# KiCad board GNSS_Firehose.kicad_pcb (continued)
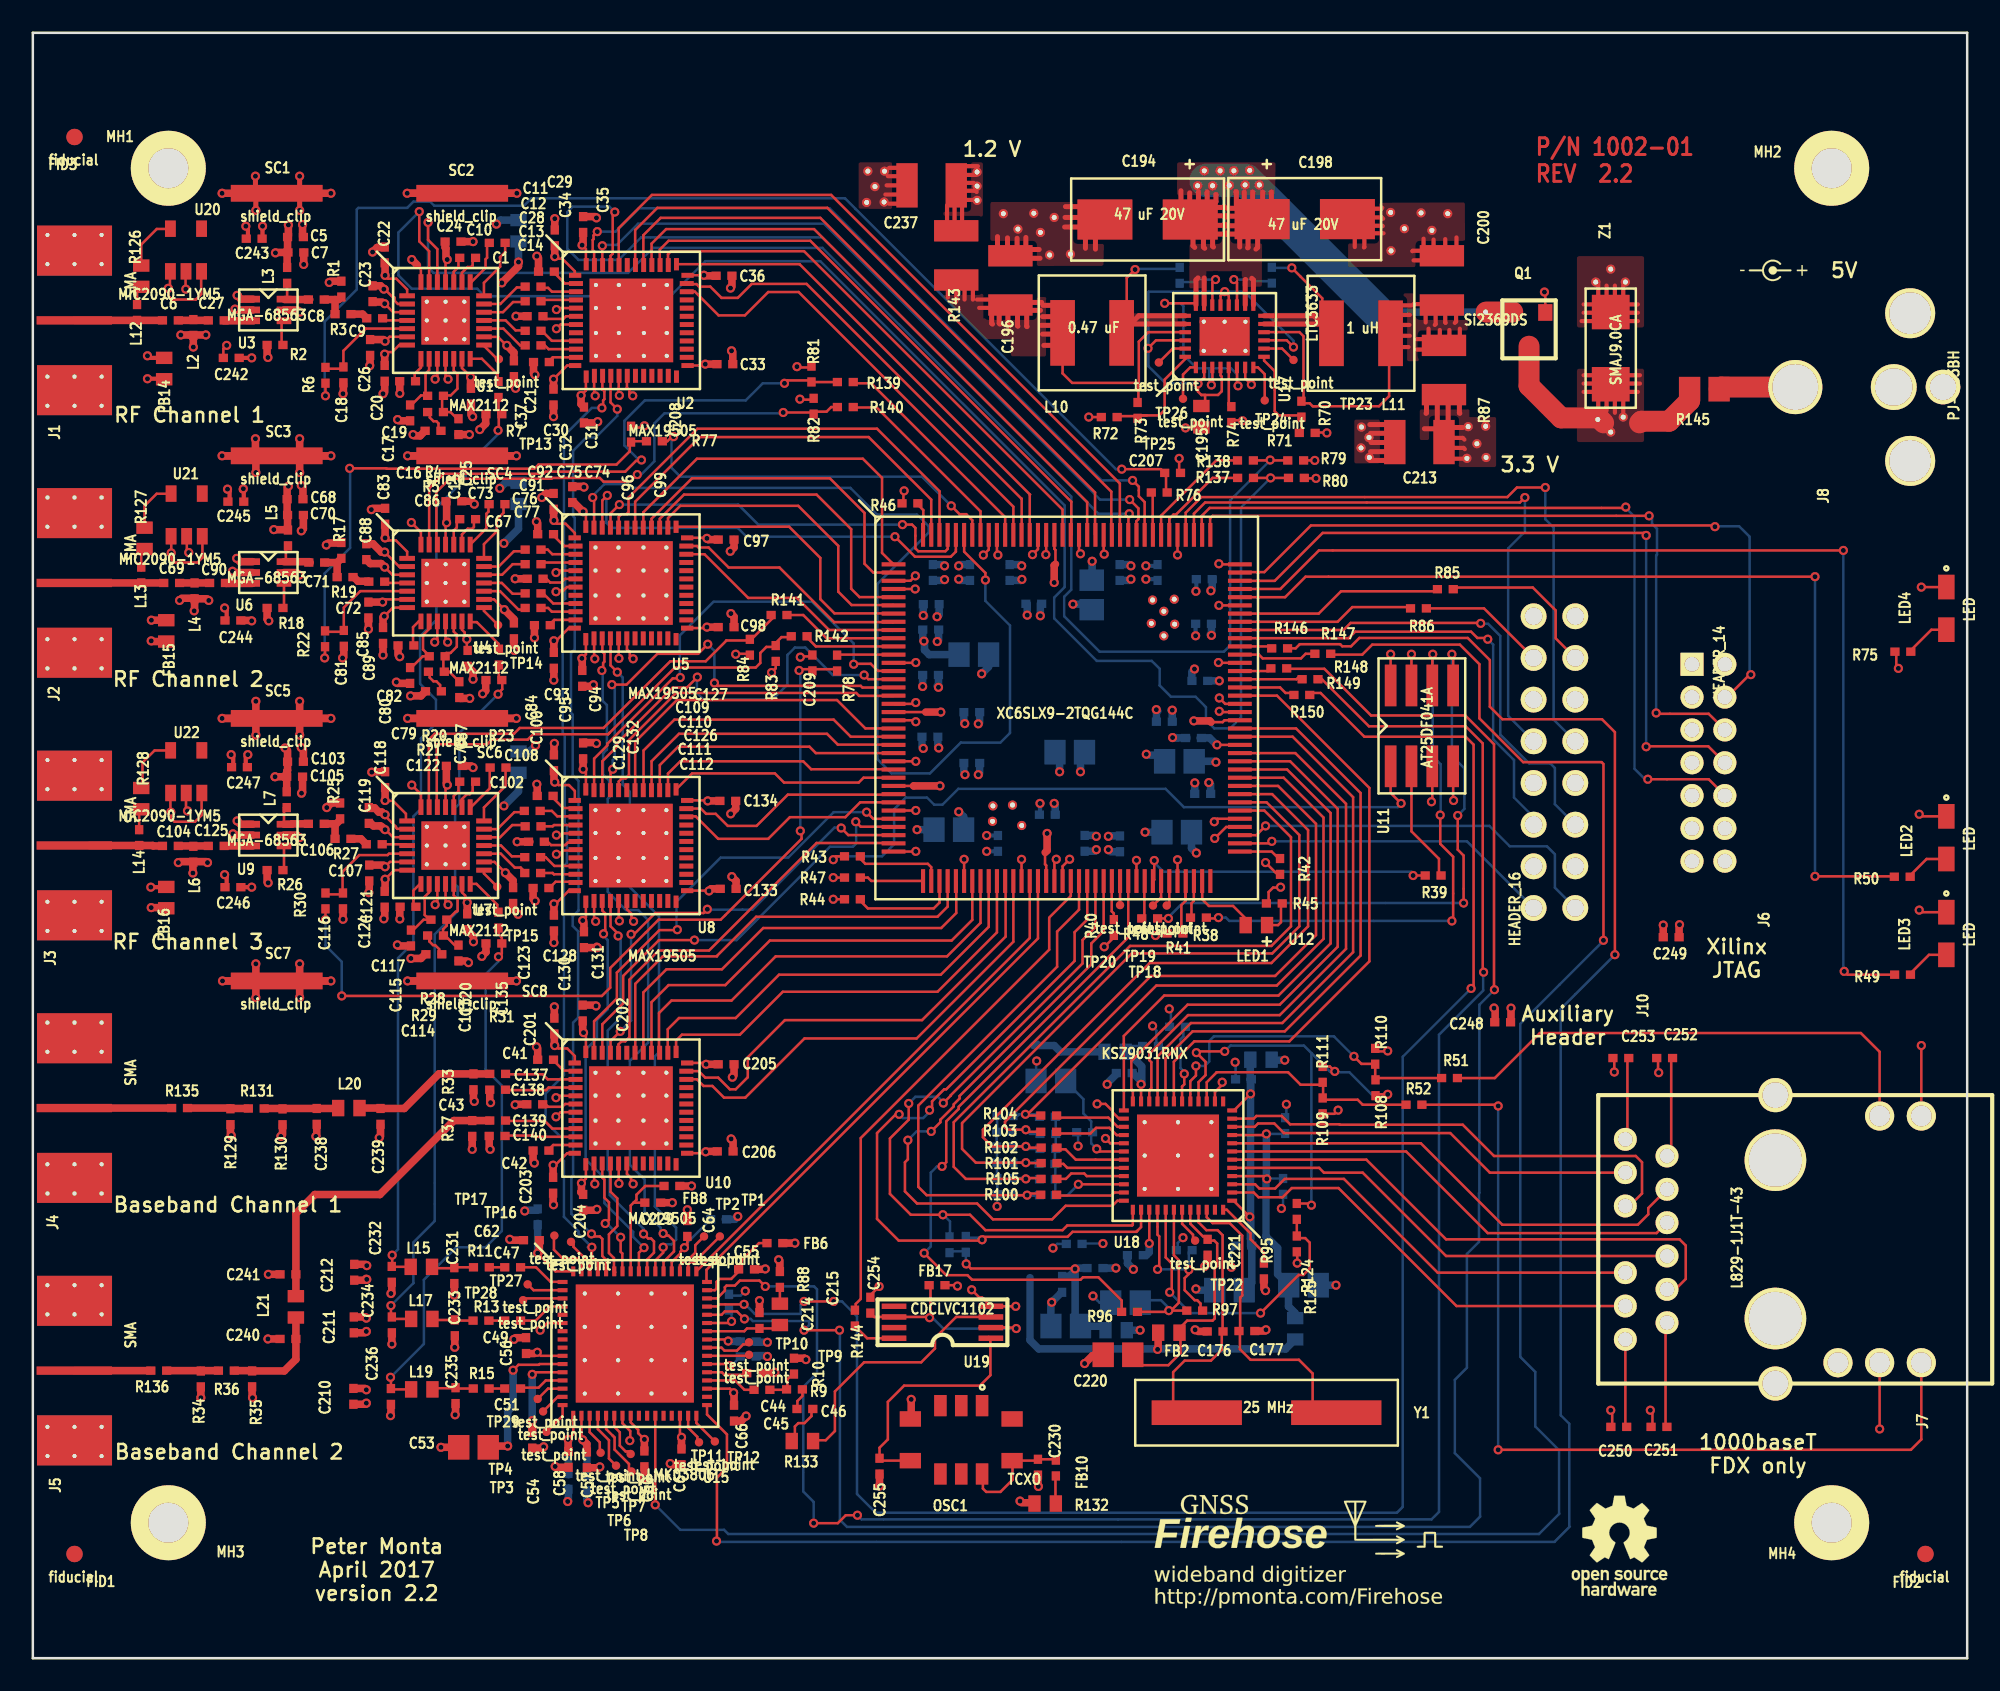
[diagram p0: board, top side]
## Placement (name value [footprint] x y rotation side) (continued)
U17  LTC3633  [UFD28]  72.61 80.56 90 top
U18  KSZ9031RNX  [QFN48_EP_MICREL]  69.77 30.63 180 top
U19  CDCLVC1102  [TSSOP8W]  55.42 20.47 180 top
U20  MIC2090-1YM5  [SOT-23-5]  8.38 84.52 0 top
U21  MIC2090-1YM5  [SOT-23-5]  8.42 68.38 0 top
U22  MIC2090-1YM5  [SOT-23-5]  8.4 52.73 0 top
VIA**  -  [via_12mil]  88.52 82.04 0 top
VIA**#2  -  [via_12mil]  95.35 75.49 0 top
VIA**#3  -  [via_12mil]  88.54 73.18 0 top
VIA**#4  -  [via_12mil]  81.41 74.4 0 top
VIA**#5  -  [via_12mil]  83.57 87.12 0 top
VIA**#6  -  [via_12mil]  70.97 89.74 0 top
VIA**#7  -  [via_12mil]  62.23 87.81 0 top
VIA**#8  -  [via_12mil]  57.53 89.71 0 top
VIA**#9  -  [via_12mil]  51.31 89.69 0 top
VIA**#10  -  [via_12mil]  68.91 63.8 0 top
VIA**#11  -  [via_12mil]  60.25 50.75 0 top
VIA**#12  -  [via_12mil]  50.88 90.63 0 top
VIA**#13  -  [via_12mil]  51.89 90.63 0 top
VIA**#14  -  [via_12mil]  50.8 88.72 0 top
VIA**#15  -  [via_12mil]  51.87 88.75 0 top
VIA**#16  -  [via_12mil]  61.39 86.89 0 top
VIA**#17  -  [via_12mil]  60.99 88.06 0 top
VIA**#18  -  [via_12mil]  60.02 87.1 0 top
VIA**#19  -  [via_12mil]  59.13 88.04 0 top
VIA**#20  -  [via_12mil]  61.95 85.52 0 top
VIA**#21  -  [via_12mil]  95.22 83.87 0 top
VIA**#22  -  [via_12mil]  63.22 85.57 0 top
VIA**#23  -  [via_12mil]  96.14 84.66 0 top
VIA**#24  -  [via_12mil]  97.03 83.87 0 top
VIA**#25  -  [via_12mil]  96.9 75.64 0 top
VIA**#26  -  [via_12mil]  96.14 74.73 0 top
VIA**#27  -  [via_12mil]  87.38 73.13 0 top
VIA**#28  -  [via_12mil]  87.99 74.02 0 top
VIA**#29  -  [via_12mil]  87.45 75.06 0 top
VIA**#30  -  [via_12mil]  88.52 75.08 0 top
VIA**#31  -  [via_12mil]  81.43 73.18 0 top
VIA**#32  -  [via_12mil]  80.92 73.76 0 top
VIA**#33  -  [via_12mil]  80.95 75.03 0 top
VIA**#34  -  [via_12mil]  82.75 85.78 0 top
VIA**#35  -  [via_12mil]  82.73 88.11 0 top
VIA**#36  -  [via_12mil]  84.58 88.09 0 top
VIA**#37  -  [via_12mil]  85.24 87.02 0 top
VIA**#38  -  [via_12mil]  86.21 88.04 0 top
VIA**#39  -  [via_12mil]  57.53 90.58 0 top
VIA**#40  -  [via_12mil]  57.53 88.85 0 top
VIA**#41  -  [via_12mil]  71.37 90.65 0 top
VIA**#42  -  [via_12mil]  71.88 89.74 0 top
VIA**#43  -  [via_12mil]  72.34 90.65 0 top
VIA**#44  -  [via_12mil]  72.9 89.76 0 top
VIA**#45  -  [via_12mil]  73.18 90.65 0 top
VIA**#46  -  [via_12mil]  73.86 89.79 0 top
VIA**#47  -  [via_12mil]  74.14 90.68 0 top
VIA**#48  -  [via_12mil]  74.73 89.79 0 top
VIA**#49  -  [via_12mil]  68.22 64.49 0 top
VIA**#50  -  [via_12mil]  69.55 64.54 0 top
VIA**#51  -  [via_12mil]  68.15 63.07 0 top
VIA**#52  -  [via_12mil]  69.57 63.02 0 top
VIA**#53  -  [via_12mil]  58.5 51.94 0 top
VIA**#54  -  [via_12mil]  59.69 51.99 0 top
VIA**#55  -  [via_12mil]  58.47 51 0 top
VIA**#56  -  [via_12mil]  68.91 62.31 0 top
Y1  25 MHz  [CTS_ATS]  75.17 14.96 180 top
Z1  SMAJ9.0CA  [SMAJ]  96.14 79.84 90 top

## Footprints (pads in the part's own frame, mm; a bottom-side part is the same pattern mirrored in y, then rotated)
0402
  rect 0.559x0.508 smd: 1(-0.483,0) 2(0.483,0)
0603
  rect 0.75x1 smd: 1(-0.65,0) 2(0.65,0)
0805
  rect 1.3x1.5 smd: 1(-0.9,0) 2(0.9,0)
1210
  rect 1.3x2.7 smd: 1(-1.5,0) 2(1.5,0)
APA2106
  rect 1.5x1 smd: 1(-1.3,0) 2(1.3,0)
CTS_ATS
  rect 5.5x1.5 smd: 1(-4.25,0) 2(4.25,0)
D75J
  rect 0.762x1.295 smd: 1(2.477,-4.813) 2(3.747,-4.813) 3(5.016,-4.813) 6(5.016,-0.648) 7(3.747,-0.648) 8(2.477,-0.648)
  rect 1.295x0.94 smd: 4(6.845,-4) 5(6.845,-1.46) 9(0.648,-1.46) 10(0.648,-4)
FIDUCIAL
  round 1 smd: 1(0,0)
  round 1 smd far side: 2(0,0)
HEADER14_2MM
  rect 1.408x1.408 hole 0.9: 1(0,-4)
  round 1.408 hole 0.9: 2(0,-2) 3(2,-4) 4(2,-2) 5(4,-4) 6(4,-2) 7(6,-4) 8(6,-2) 9(8,-4) 10(8,-2) 11(10,-4) 12(10,-2) 13(12,-4) 14(12,-2)
HEADER16_100MIL
  round 1.575 hole 1.067: 1(0,-5.08) 2(0,-2.54) 3(2.54,-5.08) 4(2.54,-2.54) 5(5.08,-5.08) 6(5.08,-2.54) 7(7.62,-5.08) 8(7.62,-2.54) 9(10.16,-5.08) 10(10.16,-2.54) 11(12.7,-5.08) 12(12.7,-2.54) 13(15.24,-5.08) 14(15.24,-2.54) 15(17.78,-5.08) 16(17.78,-2.54)
HOLE_UNC_2_56
  round 4.572 hole 2.438: 1(0,0)
L829-1J1T-43
  round 1.397 hole 0.889: 1(-5.08,-6.604) 2(-3.048,-6.604) 3(-1.016,-6.604) 4(1.016,-6.604) 5(3.048,-6.604) 6(5.08,-6.604) 7(-6.096,-9.144) 8(-4.064,-9.144) 9(-2.032,-9.144) 10(2.032,-9.144) 11(4.064,-9.144) 12(6.096,-9.144)
  round 1.778 hole 1.27: 13(-7.518,6.35) 14(-7.518,8.89) 15(7.518,3.81) 16(7.518,6.35) 17(7.518,8.89)
  round 2.083 hole 1.575: 18(-8.788,0) 19(8.788,0)
  round 3.759 hole 3.251: 20(-4.826,0) 21(4.826,0)
LLP64_EP
  rect 0.6x0.25 smd: 1(-4.4,3.751) 2(-4.4,3.251) 3(-4.4,2.751) 4(-4.4,2.25) 5(-4.4,1.75) 6(-4.4,1.25) 7(-4.4,0.75) 8(-4.4,0.25) 9(-4.4,-0.25) 10(-4.4,-0.75) 11(-4.4,-1.25) 12(-4.4,-1.751) 13(-4.4,-2.251) 14(-4.4,-2.751) 15(-4.4,-3.251) 16(-4.4,-3.751) 33(4.4,-3.751) 34(4.4,-3.251) 35(4.4,-2.751) 36(4.4,-2.25) 37(4.4,-1.75) 38(4.4,-1.25) 39(4.4,-0.75) 40(4.4,-0.25) 41(4.4,0.25) 42(4.4,0.75) 43(4.4,1.25) 44(4.4,1.751) 45(4.4,2.251) 46(4.4,2.751) 47(4.4,3.251) 48(4.4,3.751)
  rect 0.25x0.6 smd: 17(-3.751,-4.4) 18(-3.251,-4.4) 19(-2.751,-4.4) 20(-2.25,-4.4) 21(-1.75,-4.4) 22(-1.25,-4.4) 23(-0.75,-4.4) 24(-0.25,-4.4) 25(0.25,-4.4) 26(0.75,-4.4) 27(1.25,-4.4) 28(1.751,-4.4) 29(2.251,-4.4) 30(2.751,-4.4) 31(3.251,-4.4) 32(3.751,-4.4) 49(3.751,4.4) 50(3.251,4.4) 51(2.751,4.4) 52(2.25,4.4) 53(1.75,4.4) 54(1.25,4.4) 55(0.75,4.4) 56(0.25,4.4) 57(-0.25,4.4) 58(-0.75,4.4) 59(-1.25,4.4) 60(-1.751,4.4) 61(-2.251,4.4) 62(-2.751,4.4) 63(-3.251,4.4) 64(-3.751,4.4)
  round 0.508 hole 0.254: 65(-3.048,3.048) 65(-3.048,1.016) 65(-3.048,-1.016) 65(-3.048,-3.048) 65(-1.016,3.048) 65(-1.016,1.016) 65(-1.016,-1.016) 65(-1.016,-3.048) 65(1.016,3.048) 65(1.016,1.016) 65(1.016,-1.016) 65(1.016,-3.048) 65(3.048,3.048) 65(3.048,1.016) 65(3.048,-1.016) 65(3.048,-3.048)
  rect 1.524x1.524 smd: 65(-1.981,1.981) 65(-1.981,0) 65(-1.981,-1.981) 65(0,1.981) 65(0,0) 65(0,-1.981) 65(1.981,1.981) 65(1.981,0) 65(1.981,-1.981)
  rect 7.2x7.2 smd: 65(0,0)
LQFP144
  rect 1.45x0.25 smd: 1(-10.55,8.752) 2(-10.55,8.252) 3(-10.55,7.752) 4(-10.55,7.252) 5(-10.55,6.752) 6(-10.55,6.251) 7(-10.55,5.751) 8(-10.55,5.251) 9(-10.55,4.751) 10(-10.55,4.251) 11(-10.55,3.751) 12(-10.55,3.251) 13(-10.55,2.751) 14(-10.55,2.25) 15(-10.55,1.75) 16(-10.55,1.25) 17(-10.55,0.75) 18(-10.55,0.25) 19(-10.55,-0.25) 20(-10.55,-0.75) 21(-10.55,-1.25) 22(-10.55,-1.751) 23(-10.55,-2.251) 24(-10.55,-2.751) 25(-10.55,-3.251) 26(-10.55,-3.751) 27(-10.55,-4.251) 28(-10.55,-4.751) 29(-10.55,-5.251) 30(-10.55,-5.752) 31(-10.55,-6.252) 32(-10.55,-6.752) 33(-10.55,-7.252) 34(-10.55,-7.752) 35(-10.55,-8.252) 36(-10.55,-8.752) 73(10.55,-8.752) 74(10.55,-8.252) 75(10.55,-7.752) 76(10.55,-7.252) 77(10.55,-6.752) 78(10.55,-6.251) 79(10.55,-5.751) 80(10.55,-5.251) 81(10.55,-4.751) 82(10.55,-4.251) 83(10.55,-3.751) 84(10.55,-3.251) 85(10.55,-2.751) 86(10.55,-2.25) 87(10.55,-1.75) 88(10.55,-1.25) 89(10.55,-0.75) 90(10.55,-0.25) 91(10.55,0.25) 92(10.55,0.75) 93(10.55,1.25) 94(10.55,1.751) 95(10.55,2.251) 96(10.55,2.751) 97(10.55,3.251) 98(10.55,3.751) 99(10.55,4.251) 100(10.55,4.751) 101(10.55,5.251) 102(10.55,5.752) 103(10.55,6.252) 104(10.55,6.752) 105(10.55,7.252) 106(10.55,7.752) 107(10.55,8.252) 108(10.55,8.752)
  rect 0.25x1.45 smd: 37(-8.752,-10.55) 38(-8.252,-10.55) 39(-7.752,-10.55) 40(-7.252,-10.55) 41(-6.752,-10.55) 42(-6.251,-10.55) 43(-5.751,-10.55) 44(-5.251,-10.55) 45(-4.751,-10.55) 46(-4.251,-10.55) 47(-3.751,-10.55) 48(-3.251,-10.55) 49(-2.751,-10.55) 50(-2.25,-10.55) 51(-1.75,-10.55) 52(-1.25,-10.55) 53(-0.75,-10.55) 54(-0.25,-10.55) 55(0.25,-10.55) 56(0.75,-10.55) 57(1.25,-10.55) 58(1.751,-10.55) 59(2.251,-10.55) 60(2.751,-10.55) 61(3.251,-10.55) 62(3.751,-10.55) 63(4.251,-10.55) 64(4.751,-10.55) 65(5.251,-10.55) 66(5.752,-10.55) 67(6.252,-10.55) 68(6.752,-10.55) 69(7.252,-10.55) 70(7.752,-10.55) 71(8.252,-10.55) 72(8.752,-10.55) 109(8.752,10.55) 110(8.252,10.55) 111(7.752,10.55) 112(7.252,10.55) 113(6.752,10.55) 114(6.251,10.55) 115(5.751,10.55) 116(5.251,10.55) 117(4.751,10.55) 118(4.251,10.55) 119(3.751,10.55) 120(3.251,10.55) 121(2.751,10.55) 122(2.25,10.55) 123(1.75,10.55) 124(1.25,10.55) 125(0.75,10.55) 126(0.25,10.55) 127(-0.25,10.55) 128(-0.75,10.55) 129(-1.25,10.55) 130(-1.751,10.55) 131(-2.251,10.55) 132(-2.751,10.55) 133(-3.251,10.55) 134(-3.751,10.55) 135(-4.251,10.55) 136(-4.751,10.55) 137(-5.251,10.55) 138(-5.752,10.55) 139(-6.252,10.55) 140(-6.752,10.55) 141(-7.252,10.55) 142(-7.752,10.55) 143(-8.252,10.55) 144(-8.752,10.55)
NRS5020
  rect 1.5x4 smd: 1(-1.8,0) 2(1.8,0)
PJ-063BH
  round 3.302 hole 2.794: 1(0,-12)
  round 3.048 hole 2.54: 2(-4.5,-5) 2(4.5,-5)
  round 2.108 hole 1.6: 2(0,-3)
  round 2.794 hole 2.286: 2(0,-6)
QFN28_EP
  rect 0.95x0.3 smd: 1(-2.34,1.5) 2(-2.34,1) 3(-2.34,0.5) 4(-2.34,0) 5(-2.34,-0.5) 6(-2.34,-1) 7(-2.34,-1.5) 15(2.34,-1.5) 16(2.34,-1) 17(2.34,-0.5) 18(2.34,0) 19(2.34,0.5) 20(2.34,1) 21(2.34,1.5)
  rect 0.3x0.95 smd: 8(-1.5,-2.34) 9(-1,-2.34) 10(-0.5,-2.34) 11(0,-2.34) 12(0.5,-2.34) 13(1,-2.34) 14(1.5,-2.34) 22(1.5,2.34) 23(1,2.34) 24(0.5,2.34) 25(0,2.34) 26(-0.5,2.34) 27(-1,2.34) 28(-1.5,2.34)
  round 0.508 hole 0.254: 29(-1.143,1.143) 29(-1.143,0) 29(-1.143,-1.143) 29(0,1.143) 29(0,0) 29(0,-1.143) 29(1.143,1.143) 29(1.143,0) 29(1.143,-1.143)
  rect 0.864x0.864 smd: 29(-0.572,0.572) 29(-0.572,-0.572) 29(0.572,0.572) 29(0.572,-0.572)
  rect 2.95x2.95 smd: 29(0,0)
QFN48_EP
  rect 0.748x0.3 smd: 1(-3.426,2.751) 12(-3.426,-2.751) 25(3.426,-2.751) 36(3.426,2.751)
  rect 0.85x0.3 smd: 2(-3.375,2.25) 3(-3.375,1.75) 4(-3.375,1.25) 5(-3.375,0.75) 6(-3.375,0.25) 7(-3.375,-0.25) 8(-3.375,-0.75) 9(-3.375,-1.25) 10(-3.375,-1.751) 11(-3.375,-2.251) 26(3.375,-2.25) 27(3.375,-1.75) 28(3.375,-1.25) 29(3.375,-0.75) 30(3.375,-0.25) 31(3.375,0.25) 32(3.375,0.75) 33(3.375,1.25) 34(3.375,1.751) 35(3.375,2.251)
  rect 0.3x0.748 smd: 13(-2.751,-3.426) 24(2.751,-3.426) 37(2.751,3.426) 48(-2.751,3.426)
  rect 0.3x0.85 smd: 14(-2.25,-3.375) 15(-1.75,-3.375) 16(-1.25,-3.375) 17(-0.75,-3.375) 18(-0.25,-3.375) 19(0.25,-3.375) 20(0.75,-3.375) 21(1.25,-3.375) 22(1.751,-3.375) 23(2.251,-3.375) 38(2.25,3.375) 39(1.75,3.375) 40(1.25,3.375) 41(0.75,3.375) 42(0.25,3.375) 43(-0.25,3.375) 44(-0.75,3.375) 45(-1.25,3.375) 46(-1.751,3.375) 47(-2.251,3.375)
  round 0.508 hole 0.254: 49(-2.159,2.159) 49(-2.159,0.762) 49(-2.159,-0.762) 49(-2.159,-2.159) 49(-0.762,2.159) 49(-0.762,0.762) 49(-0.762,-0.762) 49(-0.762,-2.159) 49(0.762,2.159) 49(0.762,0.762) 49(0.762,-0.762) 49(0.762,-2.159) 49(2.159,2.159) 49(2.159,0.762) 49(2.159,-0.762) 49(2.159,-2.159)
  rect 1.168x1.168 smd: 49(-1.448,1.448) 49(-1.448,0) 49(-1.448,-1.448) 49(0,1.448) 49(0,0) 49(0,-1.448) 49(1.448,1.448) 49(1.448,0) 49(1.448,-1.448)
  rect 5.1x5.1 smd: 49(0,0)
QFN48_EP_MICREL
  rect 0.6x0.25 smd: 1(-3.3,2.751) 2(-3.3,2.25) 3(-3.3,1.75) 4(-3.3,1.25) 5(-3.3,0.75) 6(-3.3,0.25) 7(-3.3,-0.25) 8(-3.3,-0.75) 9(-3.3,-1.25) 10(-3.3,-1.751) 11(-3.3,-2.251) 12(-3.3,-2.751) 25(3.3,-2.751) 26(3.3,-2.25) 27(3.3,-1.75) 28(3.3,-1.25) 29(3.3,-0.75) 30(3.3,-0.25) 31(3.3,0.25) 32(3.3,0.75) 33(3.3,1.25) 34(3.3,1.751) 35(3.3,2.251) 36(3.3,2.751)
  rect 0.25x0.6 smd: 13(-2.751,-3.3) 14(-2.25,-3.3) 15(-1.75,-3.3) 16(-1.25,-3.3) 17(-0.75,-3.3) 18(-0.25,-3.3) 19(0.25,-3.3) 20(0.75,-3.3) 21(1.25,-3.3) 22(1.751,-3.3) 23(2.251,-3.3) 24(2.751,-3.3) 37(2.751,3.3) 38(2.25,3.3) 39(1.75,3.3) 40(1.25,3.3) 41(0.75,3.3) 42(0.25,3.3) 43(-0.25,3.3) 44(-0.75,3.3) 45(-1.25,3.3) 46(-1.751,3.3) 47(-2.251,3.3) 48(-2.751,3.3)
  round 0.508 hole 0.254: 49(-2.032,2.032) 49(-2.032,0) 49(-2.032,-2.032) 49(0,2.032) 49(0,0) 49(0,-2.032) 49(2.032,2.032) 49(2.032,0) 49(2.032,-2.032)
  rect 1.651x1.651 smd: 49(-1.143,1.143) 49(-1.143,-1.143) 49(1.143,1.143) 49(1.143,-1.143)
  rect 5x5 smd: 49(0,0)
S1721
  rect 5.59x1.02 smd: 1(0,0)
SMA_END_LAUNCH
  rect 0.508x4.597 smd: 1(0,-3.035)
  round 0.508 hole 0.254: 2(-5.207,-1.397) 2(-5.207,-3.048) 2(-5.207,-4.699) 2(-3.429,-1.397) 2(-3.429,-3.048) 2(-3.429,-4.699) 2(3.429,-1.397) 2(3.429,-3.048) 2(3.429,-4.699) 2(5.207,-1.397) 2(5.207,-3.048) 2(5.207,-4.699)
  rect 3.048x4.572 smd: 2(-4.255,-3.048) 2(4.255,-3.048)
  rect 3.048x4.572 smd far side: 2(-4.255,-3.048) 2(4.255,-3.048)
SMAJ
  rect 2.1x2.3 smd: 1(-2.2,0) 2(2.2,0)
SO8
  rect 2.54x0.711 smd: 1(-2.464,1.905) 2(-2.464,0.635) 3(-2.464,-0.635) 4(-2.464,-1.905) 5(2.464,-1.905) 6(2.464,-0.635) 7(2.464,0.635) 8(2.464,1.905)
SOT23
  rect 0.864x1.016 smd: 1(0.635,-2.794) 2(2.616,-2.794) 3(1.626,-0.711)
SOT-23-5
  rect 0.66x1 smd: 1(0,0) 2(0.95,0) 3(1.9,0) 4(1.9,2.6) 5(0,2.6)
SOT-363
  rect 0.889x0.406 smd: 1(-0.953,0.66) 2(-0.953,0) 3(-0.953,-0.66) 4(0.953,-0.66) 5(0.953,0) 6(0.953,0.66)
tantalum-size-D
  rect 3.35x2.45 smd: 1(-2.6,0) 2(2.6,0)
TP_SMT
  round 0.508 smd: 1(0,0)
TSSOP8W
  rect 1.5x0.33 smd: 1(-2.95,0.975) 2(-2.95,0.325) 3(-2.95,-0.325) 4(-2.95,-0.975) 5(2.95,-0.975) 6(2.95,-0.325) 7(2.95,0.325) 8(2.95,0.975)
UFD28
  rect 0.7x0.25 smd: 1(-1.9,1.75) 2(-1.9,1.25) 3(-1.9,0.75) 4(-1.9,0.25) 5(-1.9,-0.25) 6(-1.9,-0.75) 7(-1.9,-1.25) 8(-1.9,-1.751) 15(1.9,-1.75) 16(1.9,-1.25) 17(1.9,-0.75) 18(1.9,-0.25) 19(1.9,0.25) 20(1.9,0.75) 21(1.9,1.25) 22(1.9,1.751)
  rect 0.25x0.7 smd: 9(-1.25,-2.4) 10(-0.75,-2.4) 11(-0.25,-2.4) 12(0.25,-2.4) 13(0.75,-2.4) 14(1.25,-2.4) 23(1.25,2.4) 24(0.75,2.4) 25(0.25,2.4) 26(-0.25,2.4) 27(-0.75,2.4) 28(-1.25,2.4)
  round 0.508 hole 0.254: 29(-0.889,1.27) 29(-0.889,0) 29(-0.889,-1.27) 29(0.889,1.27) 29(0.889,0) 29(0.889,-1.27)
  rect 1.092x1.092 smd: 29(0,0.762) 29(0,-0.762)
  rect 2.35x3.05 smd: 29(0,0)
via_12mil
  round 0.559 hole 0.305: 1(0,0)

## Nets
/Ethernet/AVDDH: C226.1 C227.1 C228.1 FB3.2 U18.1 U18.12
/Ethernet/AVDDL: C217.1 C218.1 C219.1 FB1.2 U18.4 U18.9
/Ethernet/AVDDL_PLL: C220.1 C221.1 FB2.2 U18.44
/Ethernet/DVDDH: C222.1 C223.1 C224.1 C225.1 R97.1 R99.2 R106.1 R107.1 R108.1 R111.1 R112.1 R114.1 R115.1 R116.1 R117.1 R122.1 R124.1 U18.16 U18.34 U18.40
/Ethernet/DVDDL: C182.1 C183.1 C184.1 C185.1 C186.1 C187.1 C193.1 R98.2 U18.14 U18.18 U18.23 U18.26 U18.30 U18.39
GND: C5.2 C7.2 C15.2 C16.2 C17.2 C18.2 C19.2 C20.2 C21.2 C22.2 C23.2 C24.2 C25.2 C26.2 C28.2 C29.2 C30.2 C31.2 C32.2 C33.2 C34.2 C35.2 C36.2 C41.2 C42.2 C43.2 C44.1 C53.2 C54.2 C55.2 C56.2 C57.2 C58.2 C59.2 C60.2 C61.2 C62.2 C63.2 C64.2 C65.2 C66.2 C68.2 C70.2 C78.2 C79.2 C80.2 C81.2 C82.2 C83.2 C84.2 C85.2 C86.2 C87.2 C88.2 C89.2 C91.2 C92.2 C93.2 C94.2 C95.2 C96.2 C97.2 C98.2 C99.2 C103.2 C105.2 C113.2 C114.2 C115.2 C116.2 C117.2 C118.2 C119.2 C120.2 C121.2 C122.2 C123.2 C124.2 C126.2 C127.2 C128.2 C129.2 C130.2 C131.2 C132.2 C133.2 C134.2 C138.1 C140.1 C141.2 C142.2 C143.2 C144.2 C145.2 C146.2 C147.2 C148.2 C149.2 C150.2 C151.2 C152.2 C153.2 C154.2 C155.2 C156.2 C157.2 C158.2 C159.2 C160.2 C161.2 C162.2 C163.2 C164.2 C165.2 C166.2 C167.2 C168.2 C176.2 C177.2 C182.2 C183.2 C184.2 C185.2 C186.2 C187.2 C193.2 C194.2 C195.2 C196.2 C198.2 C200.2 C201.2 C202.2 C203.2 C204.2 C205.2 C206.2 C207.2 C208.2 C209.2 C210.2 C211.2 C212.2 C213.2 C214.2 C216.2 C217.2 C218.2 C219.2 C220.2 C221.2 C222.2 C223.2 C224.2 C225.2 C226.2 C227.2 C228.2 C229.2 C230.2 C231.2 C232.2 C233.2 C234.2 C235.2 C236.2 C237.2 C238.2 C239.2 C240.2 C241.2 C242.2 C243.2 C244.2 C245.2 C246.2 C247.2 C248.2 C249.2 C250.2 C251.2 C252.2 C253.2 C254.2 C255.2 J1.2 J2.2 J3.2 J4.2 J5.2 J6.1 J6.3 J6.5 J6.7 J6.9 J6.11 J6.13 J8.2 J10.7 J10.8 J10.11 J10.12 J10.15 J10.16 L2.2 L4.2 L6.2 LED2.2 LED3.2 LED4.2 MH1.1 MH2.1 MH3.1 MH4.1 OSC1.4 Q1.1 R1.2 R7.2 R10.2 R17.2 R23.2 R25.2 R31.2 R33.2 R34.2 R35.2 R37.2 R40.2 R42.2 R46.1 R71.2 R72.2 R74.2 R88.2 R95.2 R109.2 R110.2 R113.2 R118.2 R119.2 R120.2 R121.2 R123.2 R125.2 R129.2 R130.2 SC1.1 SC2.1 SC3.1 SC4.1 SC5.1 SC6.1 SC7.1 SC8.1 U1.3 U1.10 U1.11 U1.28 U1.29 U2.5 U2.7 U2.14 U2.17 U2.18 U2.49 U3.1 U3.2 U3.5 U4.3 U4.10 U4.11 U4.28 U4.29 U5.5 U5.7 U5.14 U5.17 U5.18 U5.49 U6.1 U6.2 U6.5 U7.3 U7.10 U7.11 U7.28 U7.29 U8.5 U8.7 U8.14 U8.17 U8.18 U8.49 U9.1 U9.2 U9.5 U10.5 U10.7 U10.14 U10.17 U10.18 U10.49 U11.4 U12.3 U12.13 U12.25 U12.49 U12.54 U12.68 U12.77 U12.91 U12.96 U12.108 U12.113 U12.130 U12.136 U15.6 U15.23 U15.65 U17.7 U17.29 U18.29 U18.49 U19.4 U20.2 U21.2 U22.2 VIA**#4.1 VIA**#5.1 VIA**#7.1 VIA**#9.1 VIA**#12.1 VIA**#13.1 VIA**#14.1 VIA**#15.1 VIA**#16.1 VIA**#17.1 VIA**#18.1 VIA**#19.1 VIA**#20.1 VIA**#21.1 VIA**#22.1 VIA**#23.1 VIA**#24.1 VIA**#31.1 VIA**#32.1 VIA**#33.1 VIA**#34.1 VIA**#35.1 VIA**#36.1 VIA**#37.1 VIA**#38.1 Z1.2
VCC_1.2V: C141.1 C142.1 C143.1 C144.1 C145.1 C146.1 C237.1 FB1.1 FB2.1 R98.1 R143.2 U12.19 U12.28 U12.52 U12.89 U12.128 VIA**#8.1 VIA**#10.1 VIA**#11.1 VIA**#39.1 VIA**#40.1 VIA**#49.1 VIA**#50.1 VIA**#51.1 VIA**#52.1 VIA**#53.1 VIA**#54.1 VIA**#55.1 VIA**#56.1
VCC_3.3V: C31.1 C32.1 C33.1 C34.1 C35.1 C36.1 C56.1 C59.1 C60.1 C61.1 C63.1 C65.1 C66.1 C94.1 C95.1 C96.1 C97.1 C98.1 C99.1 C129.1 C130.1 C131.1 C132.1 C133.1 C134.1 C147.1 C148.1 C149.1 C150.1 C151.1 C152.1 C153.1 C154.1 C155.1 C156.1 C157.1 C158.1 C159.1 C160.1 C161.1 C162.1 C163.1 C164.1 C165.1 C166.1 C167.1 C168.1 C201.1 C202.1 C203.1 C204.1 C205.1 C206.1 C210.1 C211.1 C212.1 C213.1 C248.1 C249.1 FB3.1 FB4.1 FB5.1 FB6.1 FB7.1 FB8.1 FB9.1 FB11.1 FB12.1 FB13.1 FB14.1 FB15.1 FB16.1 FB17.1 J6.2 J7.14 J7.16 J10.3 J10.4 R41.2 R44.2 R45.2 R47.2 R75.1 R79.1 R80.1 R81.1 R82.1 R83.1 R84.1 R87.1 R99.1 R132.1 U2.1 U2.12 U2.13 U2.25 U2.36 U2.48 U5.1 U5.12 U5.13 U5.25 U5.36 U5.48 U8.1 U8.12 U8.13 U8.25 U8.36 U8.48 U10.1 U10.12 U10.13 U10.25 U10.36 U10.48 U11.3 U11.7 U11.8 U12.4 U12.18 U12.20 U12.31 U12.36 U12.42 U12.53 U12.63 U12.76 U12.86 U12.90 U12.103 U12.122 U12.125 U12.129 U12.135 U15.10 U15.24 U15.30 U15.35 U15.38 U15.41 U15.43 VIA**#3.1 VIA**#27.1 VIA**#28.1 VIA**#29.1 VIA**#30.1
/Clock generation/ch1_d+: C47.1 U15.1
/Clock generation/ch2_d+: C49.1 U15.4
/Clock generation/ch3_d+: C51.1 U15.13
/Ethernet/chassis_gnd: J7.18 J7.19
/Ethernet/ct1: C250.1 J7.12
/Ethernet/ct2: C251.1 J7.6
/Ethernet/ct3: C252.1 J7.1
/Ethernet/ct4: C253.1 J7.7
/Ethernet/LED_MODE: R124.2 R125.1 U18.41
/Ethernet/phyad0: R51.1 R108.2 R110.1 U18.17
/Ethernet/phyad1: R52.1 R109.1 R111.2 U18.15
/Ethernet/xtal1: C177.1 U18.46 Y1.1
/Ethernet/xtal2: C176.1 U18.45 Y1.2
/FPGA/cclk: R38.1 U12.70
/FPGA/CH1_GC1: R76.1 U12.116
/FPGA/CH2_GC1: R77.1 U12.138
/FPGA/CH3_GC1: R78.1 U12.12
/FPGA/cso_b: R43.1 U12.38
/FPGA/din: R39.1 U12.65
/FPGA/init_b: R44.1 U12.39
/FPGA/led0: R49.1 U12.105
/FPGA/led1: R50.1 U12.104
/FPGA/m0: R41.1 U12.69
/FPGA/m1: R40.1 U12.60
/FPGA/mosi: R48.1 U12.64
/FPGA/spare1_n: J10.2 U12.74
/FPGA/spare1_p: J10.1 U12.75
/FPGA/spare2_n: J10.6 U12.99
/FPGA/spare2_p: J10.5 U12.100
/FPGA/spare3_n: J10.10 U12.111
/FPGA/spare3_p: J10.9 U12.112
/FPGA/TCK: J6.6 U12.109
/FPGA/TDI: J6.10 U12.110
/FPGA/TDO: J6.8 U12.106
/FPGA/TMS: J6.4 U12.107
/FPGA/UART_RX: R86.2 U12.101
/FPGA/UART_TX: R85.1 U12.102
/RF channel 1/ch1_cpout: C15.1 R4.2 R5.1 U1.12
/RF channel 1/ch1_gc1_lpf: C18.1 R6.1 U1.5
/RF channel 1/ch1_vcc: C20.1 C21.1 C22.1 C23.1 C24.1 C25.1 C26.1 FB11.2 U1.1 U1.2 U1.6 U1.7 U1.13 U1.16 U1.25
/RF channel 1/ch1_vcc_lna: C5.1 C7.1 C242.1 C243.1 FB14.2 L3.1 R2.1 U20.1 U20.3
/RF channel 1/ch1_vtune: C17.1 R4.1 U1.9
/RF channel 1/ch1_xtal: C37.2 U1.14
/RF Channel 2/ch2_cpout: C78.1 R20.2 R21.1 U4.12
/RF Channel 2/ch2_gc1_lpf: C81.1 R22.1 U4.5
/RF Channel 2/ch2_vcc: C83.1 C84.1 C85.1 C86.1 C87.1 C88.1 C89.1 FB12.2 U4.1 U4.2 U4.6 U4.7 U4.13 U4.16 U4.25
/RF Channel 2/ch2_vcc_lna: C68.1 C70.1 C244.1 C245.1 FB15.2 L5.1 R18.1 U21.1 U21.3
/RF Channel 2/ch2_vtune: C80.1 R20.1 U4.9
/RF Channel 2/ch2_xtal: C100.2 U4.14
/RF Channel 3/ch3_cpout: C113.1 R28.2 R29.1 U7.12
/RF Channel 3/ch3_gc1_lpf: C116.1 R30.1 U7.5
/RF Channel 3/ch3_vcc: C118.1 C119.1 C120.1 C121.1 C122.1 C123.1 C124.1 FB13.2 U7.1 U7.2 U7.6 U7.7 U7.13 U7.16 U7.25
/RF Channel 3/ch3_vcc_lna: C103.1 C105.1 C246.1 C247.1 FB16.2 L7.1 R26.1 U22.1 U22.3
/RF Channel 3/ch3_vtune: C115.1 R28.1 U7.9
/RF Channel 3/ch3_xtal: C135.2 U7.14
/RF Channel 4/10_MHz+: C137.2 U10.3
/RF Channel 4/10_MHz-: C138.2 U10.4
/RF Channel 4/PPS+: C139.2 U10.9
/RF Channel 4/PPS-: C140.2 U10.10
CH1_CLK: U2.44 U12.120
CH1_CLK+: U2.15 U15.61
CH1_CLK-: U2.16 U15.60
CH1_CS: U2.47 U12.117
CH1_D0: U2.34 U12.133
CH1_D1: U2.35 U12.132
CH1_D2: U2.37 U12.131
CH1_D3: U2.38 U12.127
CH1_D4: U2.39 U12.126
CH1_D5: U2.40 U12.124
CH1_D6: U2.41 U12.123
CH1_D7: U2.42 U12.121
CH1_GC1_FPGA_LPF: C207.1 R6.2 R76.2
CH1_REF+: C37.1 C232.1 L15.2 R7.1
CH1_SCL: R80.2 R137.1 U1.27
CH1_SCLK: U2.46 U12.118
CH1_SDA: R79.2 R138.1 U1.26
CH1_SDIN: U2.45 U12.119
CH2_CLK: U5.44 U12.142
CH2_CLK+: U5.15 U15.53
CH2_CLK-: U5.16 U15.54
CH2_CS: U5.47 U12.139
CH2_D0: U5.34 U12.9
CH2_D1: U5.35 U12.8
CH2_D2: U5.37 U12.7
CH2_D3: U5.38 U12.6
CH2_D4: U5.39 U12.5
CH2_D5: U5.40 U12.2
CH2_D6: U5.41 U12.1
CH2_D7: U5.42 U12.143
CH2_GC1_FPGA_LPF: C208.1 R22.2 R77.2
CH2_REF+: C100.1 C234.1 L17.2 R23.1
CH2_SCL: R82.2 R139.1 U4.27
CH2_SCLK: U5.46 U12.140
CH2_SDA: R81.2 R140.1 U4.26
CH2_SDIN: U5.45 U12.141
CH3_CLK: U8.44 U12.17
CH3_CLK+: U8.15 U15.56
CH3_CLK-: U8.16 U15.55
CH3_CS: U8.47 U12.14
CH3_D0: U8.34 U12.30
CH3_D1: U8.35 U12.29
CH3_D2: U8.37 U12.27
CH3_D3: U8.38 U12.26
CH3_D4: U8.39 U12.24
CH3_D5: U8.40 U12.23
CH3_D6: U8.41 U12.22
CH3_D7: U8.42 U12.21
CH3_GC1_FPGA_LPF: C209.1 R30.2 R78.2
CH3_REF+: C135.1 C236.1 L19.2 R31.1
CH3_SCL: R84.2 R141.2 U7.27
CH3_SCLK: U8.46 U12.15
CH3_SDA: R83.2 R142.2 U7.26
CH3_SDIN: U8.45 U12.16
CH4_CLK: U10.44 U12.35
CH4_CLK+: U10.15 U15.58
CH4_CLK-: U10.16 U15.59
CH4_CS: U10.47 U12.32
CH4_D0: U10.34 U12.48
CH4_D1: U10.35 U12.47
CH4_D2: U10.37 U12.46
CH4_D3: U10.38 U12.45
CH4_D4: U10.39 U12.44
CH4_D5: U10.40 U12.43
CH4_D6: U10.41 U12.41
CH4_D7: U10.42 U12.40
CH4_SCLK: U10.46 U12.33
CH4_SDIN: U10.45 U12.34
CLK_3888: R144.2 U12.55
CLOCK_CLK: R150.1 U15.45
CLOCK_DATA: R149.1 U15.46
CLOCK_FTEST_LD: R146.1 U15.33
CLOCK_LE: R148.1 U15.44
CLOCK_READBACK: R147.1 U15.27
FPGA_CLK+: U12.51 U15.48
FPGA_CLK-: U12.50 U15.49
PHY_MDC: U12.59 U18.36
PHY_MDINT: R107.2 U12.57 U18.38
PHY_MDIO: R106.2 U12.58 U18.37
PHY_NRESET: R96.1 U12.62
PHY_RX_CLK: R100.1 R112.2 R113.1 U12.56
PHY_RX_CTL: R105.1 R122.2 R123.1 U12.78
PHY_RXD0: R101.1 R114.2 R118.1 U12.79
PHY_RXD1: R102.1 R115.2 R119.1 U12.80
PHY_RXD2: R103.1 R116.2 R120.1 U12.81
PHY_RXD3: R104.1 R117.2 R121.1 U12.82
PHY_TX_CLK: U12.84 U18.24
PHY_TX_CTL: U12.83 U18.25
PHY_TXD0: U12.92 U18.19
PHY_TXD1: U12.88 U18.20
PHY_TXD2: U12.87 U18.21
PHY_TXD3: U12.85 U18.22
Net-(C1-Pad1): C1.1 U1.22
Net-(C1-Pad2): C1.2 U1.21
Net-(C6-Pad1): C6.1 J1.1 L12.2
Net-(C8-Pad1): C8.1 L3.2 U3.6
Net-(C8-Pad2): C8.2 R1.1 R3.2
Net-(C9-Pad1): C9.1 R3.1
Net-(C9-Pad2): C9.2 U1.4
Net-(C10-Pad1): C10.1 U1.24
Net-(C10-Pad2): C10.2 U1.23
Net-(C11-Pad1): C11.1 U1.20
Net-(C11-Pad2): C11.2 U2.3
Net-(C12-Pad1): C12.1 U1.19
Net-(C12-Pad2): C12.2 U2.4
Net-(C13-Pad1): C13.1 U1.18
Net-(C13-Pad2): C13.2 U2.9
Net-(C14-Pad1): C14.1 U1.17
Net-(C14-Pad2): C14.2 U2.10
Net-(C16-Pad1): C16.1 R5.2
Net-(C19-Pad1): C19.1 U1.8
Net-(C27-Pad1): C6.2 C27.1 L2.1
Net-(C27-Pad2): C27.2 U3.3
Net-(C28-Pad1): C28.1 U2.6
Net-(C29-Pad1): C29.1 U2.2
Net-(C30-Pad1): C30.1 U2.11
Net-(C41-Pad1): C41.1 U10.2
Net-(C42-Pad1): C42.1 U10.11
Net-(C43-Pad1): C43.1 U10.6
Net-(C44-Pad2): C44.2 U15.37
Net-(C45-Pad1): C45.1 R9.2 R10.1
Net-(C45-Pad2): C45.2 U15.36
Net-(C46-Pad1): C46.1 R133.2
Net-(C46-Pad2): C46.2 R9.1
Net-(C47-Pad2): C47.2 R11.1
Net-(C49-Pad2): C49.2 R13.1
Net-(C51-Pad2): C51.2 R15.1
Net-(C53-Pad1): C53.1 U15.11
Net-(C54-Pad1): C54.1 U15.12
Net-(C55-Pad1): C55.1 FB6.2 U15.47
Net-(C57-Pad1): C57.1 FB5.2 U15.18
Net-(C58-Pad1): C58.1 FB4.2 U15.17
Net-(C62-Pad1): C62.1 FB9.2 U15.64
Net-(C64-Pad1): C64.1 FB7.2 U15.52
Net-(C67-Pad1): C67.1 U4.22
Net-(C67-Pad2): C67.2 U4.21
Net-(C69-Pad1): C69.1 J2.1 L13.2
Net-(C69-Pad2): C69.2 C90.1 L4.1
Net-(C71-Pad1): C71.1 L5.2 U6.6
Net-(C71-Pad2): C71.2 R17.1 R19.2
Net-(C72-Pad1): C72.1 R19.1
Net-(C72-Pad2): C72.2 U4.4
Net-(C73-Pad1): C73.1 U4.24
Net-(C73-Pad2): C73.2 U4.23
Net-(C74-Pad1): C74.1 U4.20
Net-(C74-Pad2): C74.2 U5.3
Net-(C75-Pad1): C75.1 U4.19
Net-(C75-Pad2): C75.2 U5.4
Net-(C76-Pad1): C76.1 U4.18
Net-(C76-Pad2): C76.2 U5.9
Net-(C77-Pad1): C77.1 U4.17
Net-(C77-Pad2): C77.2 U5.10
Net-(C79-Pad1): C79.1 R21.2
Net-(C82-Pad1): C82.1 U4.8
Net-(C90-Pad2): C90.2 U6.3
Net-(C91-Pad1): C91.1 U5.6
Net-(C92-Pad1): C92.1 U5.2
Net-(C93-Pad1): C93.1 U5.11
Net-(C102-Pad1): C102.1 U7.22
Net-(C102-Pad2): C102.2 U7.21
Net-(C104-Pad1): C104.1 J3.1 L14.2
Net-(C104-Pad2): C104.2 C125.1 L6.1
Net-(C106-Pad1): C106.1 L7.2 U9.6
Net-(C106-Pad2): C106.2 R25.1 R27.2
Net-(C107-Pad1): C107.1 R27.1
Net-(C107-Pad2): C107.2 U7.4
Net-(C108-Pad1): C108.1 U7.24
Net-(C108-Pad2): C108.2 U7.23
Net-(C109-Pad1): C109.1 U7.20
Net-(C109-Pad2): C109.2 U8.3
Net-(C110-Pad1): C110.1 U7.19
Net-(C110-Pad2): C110.2 U8.4
Net-(C111-Pad1): C111.1 U7.18
Net-(C111-Pad2): C111.2 U8.9
Net-(C112-Pad1): C112.1 U7.17
Net-(C112-Pad2): C112.2 U8.10
Net-(C114-Pad1): C114.1 R29.2
Net-(C117-Pad1): C117.1 U7.8
Net-(C125-Pad2): C125.2 U9.3
Net-(C126-Pad1): C126.1 U8.6
Net-(C127-Pad1): C127.1 U8.2
Net-(C128-Pad1): C128.1 U8.11
Net-(C137-Pad1): C137.1 C239.1 L20.2 R33.1
Net-(C139-Pad1): C139.1 C241.1 L21.2 R37.1
Net-(C194-Pad1): C194.1 C198.1 Q1.2 U17.3 U17.6 U17.15 U17.16 U17.21 U17.22 VIA**.1 VIA**#6.1 VIA**#41.1 VIA**#42.1 VIA**#43.1 VIA**#44.1 VIA**#45.1 VIA**#46.1 VIA**#47.1 VIA**#48.1
Net-(C195-Pad1): C195.1 U17.2 U17.4 U17.11 U17.18 U17.19 U17.26
Net-(C196-Pad1): C196.1 L10.2 R73.2 R143.1 U17.25
Net-(C197-Pad1): C197.1 L10.1 U17.23 U17.24
Net-(C197-Pad2): C197.2 U17.20
Net-(C199-Pad1): C199.1 U17.17
Net-(C199-Pad2): C199.2 L11.2 U17.13 U17.14
Net-(C200-Pad1): C200.1 L11.1 R70.1 R87.2 U17.12
Net-(C214-Pad1): C214.1 C215.1 U15.42
Net-(C215-Pad2): C215.2 R88.1
Net-(C216-Pad1): C216.1 R96.2 R97.2 U18.42
Net-(C229-Pad1): C229.1 FB8.2 U15.57
Net-(C230-Pad1): C230.1 FB10.2 OSC1.8 OSC1.9
Net-(C231-Pad1): C231.1 L15.1 R11.2
Net-(C233-Pad1): C233.1 L17.1 R13.2
Net-(C235-Pad1): C235.1 L19.1 R15.2
Net-(C238-Pad1): C238.1 L20.1 R130.1 R131.2
Net-(C240-Pad1): C240.1 L21.1 R35.1 R36.2
Net-(C254-Pad1): C254.1 FB17.2 U19.2 U19.6
Net-(C255-Pad1): C255.1 OSC1.5 U19.1
Net-(FB10-Pad1): FB10.1 R132.2
Net-(J4-Pad1): J4.1 R135.1
Net-(J5-Pad1): J5.1 R136.1
Net-(J6-Pad12): J6.12
Net-(J6-Pad14): J6.14
Net-(J7-Pad2): J7.2 U18.8
Net-(J7-Pad3): J7.3 U18.7
Net-(J7-Pad4): J7.4 U18.5
Net-(J7-Pad5): J7.5 U18.6
Net-(J7-Pad8): J7.8 U18.10
Net-(J7-Pad9): J7.9 U18.11
Net-(J7-Pad10): J7.10 U18.3
Net-(J7-Pad11): J7.11 U18.2
Net-(J7-Pad13): J7.13 R51.2
Net-(J7-Pad15): J7.15
Net-(J7-Pad17): J7.17 R52.2
Net-(J8-Pad1): J8.1 R145.1
Net-(J10-Pad13): J10.13 R85.2
Net-(J10-Pad14): J10.14 R86.1
Net-(L12-Pad1): L12.1 R126.1
Net-(L13-Pad1): L13.1 R127.1
Net-(L14-Pad1): L14.1 R128.1
Net-(LED1-Pad1): LED1.1 R45.1
Net-(LED1-Pad2): LED1.2 U12.71
Net-(LED2-Pad1): LED2.1 R50.2
Net-(LED3-Pad1): LED3.1 R49.2
Net-(LED4-Pad1): LED4.1 R75.2
Net-(Q1-Pad3): Q1.3 R145.2 VIA**#2.1 VIA**#25.1 VIA**#26.1 Z1.1
Net-(R2-Pad2): R2.2 U3.4
Net-(R18-Pad2): R18.2 U6.4
Net-(R26-Pad2): R26.2 U9.4
Net-(R38-Pad2): R38.2 U11.6
Net-(R39-Pad2): R39.2 U11.2
Net-(R42-Pad1): R42.1 U12.73
Net-(R43-Pad2): R43.2 U11.1
Net-(R46-Pad2): R46.2 U12.144
Net-(R47-Pad1): R47.1 U12.37
Net-(R48-Pad2): R48.2 U11.5
Net-(R70-Pad2): R70.2 R71.1 U17.9
Net-(R72-Pad1): R72.1 R73.1 U17.28
Net-(R74-Pad1): R74.1 U17.5
Net-(R95-Pad1): R95.1 U18.48
Net-(R100-Pad2): R100.2 U18.35
Net-(R101-Pad2): R101.2 U18.32
Net-(R102-Pad2): R102.2 U18.31
Net-(R103-Pad2): R103.2 U18.28
Net-(R104-Pad2): R104.2 U18.27
Net-(R105-Pad2): R105.2 U18.33
Net-(R126-Pad2): R126.2 U20.5
Net-(R127-Pad2): R127.2 U21.5
Net-(R128-Pad2): R128.2 U22.5
Net-(R129-Pad1): R129.1 R131.1 R135.2
Net-(R133-Pad1): R133.1 U19.3
Net-(R136-Pad2): R34.1 R36.1 R136.2
Net-(R137-Pad2): R137.2 U12.114
Net-(R138-Pad2): R138.2 U12.115
Net-(R139-Pad2): R139.2 U12.134
Net-(R140-Pad2): R140.2 U12.137
Net-(R141-Pad1): R141.1 U12.10
Net-(R142-Pad1): R142.1 U12.11
Net-(R144-Pad1): R144.1 U19.8
Net-(R146-Pad2): R146.2 U12.98
Net-(R147-Pad2): R147.2 U12.97
Net-(R148-Pad2): R148.2 U12.95
Net-(R149-Pad2): R149.2 U12.94
Net-(R150-Pad2): R150.2 U12.93
Net-(TP1-Pad1): TP1.1 U15.50
Net-(TP2-Pad1): TP2.1 U15.51
Net-(TP3-Pad1): TP3.1 U15.16
Net-(TP4-Pad1): TP4.1 U15.15
Net-(TP5-Pad1): TP5.1 U15.19
Net-(TP6-Pad1): TP6.1 U15.20
Net-(TP7-Pad1): TP7.1 U15.22
Net-(TP8-Pad1): TP8.1 U15.21
Net-(TP9-Pad1): TP9.1 U15.39
Net-(TP10-Pad1): TP10.1 U15.40
Net-(TP11-Pad1): TP11.1 U15.31
Net-(TP12-Pad1): TP12.1 U15.32
Net-(TP13-Pad1): TP13.1 U1.15
Net-(TP14-Pad1): TP14.1 U4.15
Net-(TP15-Pad1): TP15.1 U7.15
Net-(TP16-Pad1): TP16.1 U15.62
Net-(TP17-Pad1): TP17.1 U15.63
Net-(TP18-Pad1): TP18.1 U12.67
Net-(TP19-Pad1): TP19.1 U12.66
Net-(TP20-Pad1): TP20.1 U12.61
Net-(TP22-Pad1): TP22.1 U18.43
Net-(TP23-Pad1): TP23.1 U17.10
Net-(TP24-Pad1): TP24.1 U17.8
Net-(TP25-Pad1): TP25.1 U17.27
Net-(TP26-Pad1): TP26.1 U17.1
Net-(TP27-Pad1): TP27.1 U15.2
Net-(TP28-Pad1): TP28.1 U15.3
Net-(TP29-Pad1): TP29.1 U15.14
Net-(U2-Pad19): U2.19
Net-(U2-Pad20): U2.20
Net-(U2-Pad23): U2.23
Net-(U2-Pad24): U2.24
Net-(U2-Pad26): U2.26
Net-(U2-Pad27): U2.27
Net-(U2-Pad28): U2.28
Net-(U2-Pad29): U2.29
Net-(U2-Pad30): U2.30
Net-(U2-Pad31): U2.31
Net-(U2-Pad43): U2.43
Net-(U5-Pad19): U5.19
Net-(U5-Pad20): U5.20
Net-(U5-Pad23): U5.23
Net-(U5-Pad24): U5.24
Net-(U5-Pad26): U5.26
Net-(U5-Pad27): U5.27
Net-(U5-Pad28): U5.28
Net-(U5-Pad29): U5.29
Net-(U5-Pad30): U5.30
Net-(U5-Pad31): U5.31
Net-(U5-Pad43): U5.43
Net-(U8-Pad19): U8.19
Net-(U8-Pad20): U8.20
Net-(U8-Pad23): U8.23
Net-(U8-Pad24): U8.24
Net-(U8-Pad26): U8.26
Net-(U8-Pad27): U8.27
Net-(U8-Pad28): U8.28
Net-(U8-Pad29): U8.29
Net-(U8-Pad30): U8.30
Net-(U8-Pad31): U8.31
Net-(U8-Pad43): U8.43
Net-(U10-Pad19): U10.19
Net-(U10-Pad20): U10.20
Net-(U10-Pad23): U10.23
Net-(U10-Pad24): U10.24
Net-(U10-Pad26): U10.26
Net-(U10-Pad27): U10.27
Net-(U10-Pad28): U10.28
Net-(U10-Pad29): U10.29
Net-(U10-Pad30): U10.30
Net-(U10-Pad31): U10.31
Net-(U10-Pad43): U10.43
Net-(U12-Pad72): U12.72
Net-(U18-Pad13): U18.13
Net-(U18-Pad47): U18.47
Net-(U19-Pad5): U19.5
Net-(U19-Pad7): U19.7
Net-(U20-Pad4): U20.4
Net-(U21-Pad4): U21.4
Net-(U22-Pad4): U22.4

Pads without a net: FID1 1 2; FID2 1 2; FID3 1 2; J7 20 21; OSC1 1 2 3 6 7 10; U2 8 21 22 32 33; U5 8 21 22 32 33; U8 8 21 22 32 33; U10 8 21 22 32 33; U15 5 7 8 9 25 26 28 29 34

## Via types
v1: diameter 0.559, hole 0.305, Top to Bottom, 649 vias

## Routing (per net, layer and track width the routed paths; a pad name or vN(x,y) marks a point on that pad's centre or on a via; arc(x,y) is an arc through that point)
/Ethernet/AVDDH: length 20.1
  Top w0.152: v1(74.19,34.39) 73.19,33.38 U18.12 ; U18.1 73.16,27.88 v1(74.14,26.9)
  Bottom w0.457: 74.19,25.55 74.19,35.25 74.16,35.28 ; 74.19,25.55 74.19,26.85 v1(74.14,26.9) ; 74.19,25.55 74.19,25.12 ; v1(74.19,34.39) 74.19,35.23 C227.1 ; 74.19,22.81 C226.1 74.27,22.89 C228.1 ; 74.18,35.26 74.18,35.27 FB3.2
/Ethernet/AVDDL: length 18.7
  Top w0.152: v1(75.18,29.21) 75.01,29.38 73.07,29.38 ; v1(75.16,31.95) 75.09,31.88 U18.9
  Bottom w0.152: 76.12,29.24 76.23,29.13 ; C219.1 75.21,29.24 v1(75.18,29.21) ; v1(75.16,31.95) 76.23,31.95 76.38,32.11
  Bottom w0.457: C217.1 75.84,23.41 75.84,24.99 75.13,25.7 75.13,29.16 v1(75.18,29.21) 75.16,29.24 v1(75.16,31.95) 75.13,31.93 ; FB1.2 76.91,21.03 76.5,21.44 76.5,22.53 76.61,22.64
/Ethernet/AVDDL_PLL: length 14.9
  Top w0.152: 67.11,18.39 67.11,18.16 67.41,17.86 69.19,17.86 69.93,18.59 69.93,19.71 69.9,19.74 ; 71.75,25.45 71.98,25.45 72.16,25.27 72.16,23.9 72.01,23.75 72.01,20.7 71.88,20.57 70.33,20.57 69.88,20.12 69.88,19.86 ; U18.44 70.52,26.48 71.3,25.7 71.47,25.7 71.73,25.44
